# Altium PCB 28Pins_Project_V1I1_PCB - Copy.PcbDoc (part 1 of 2) (continued)
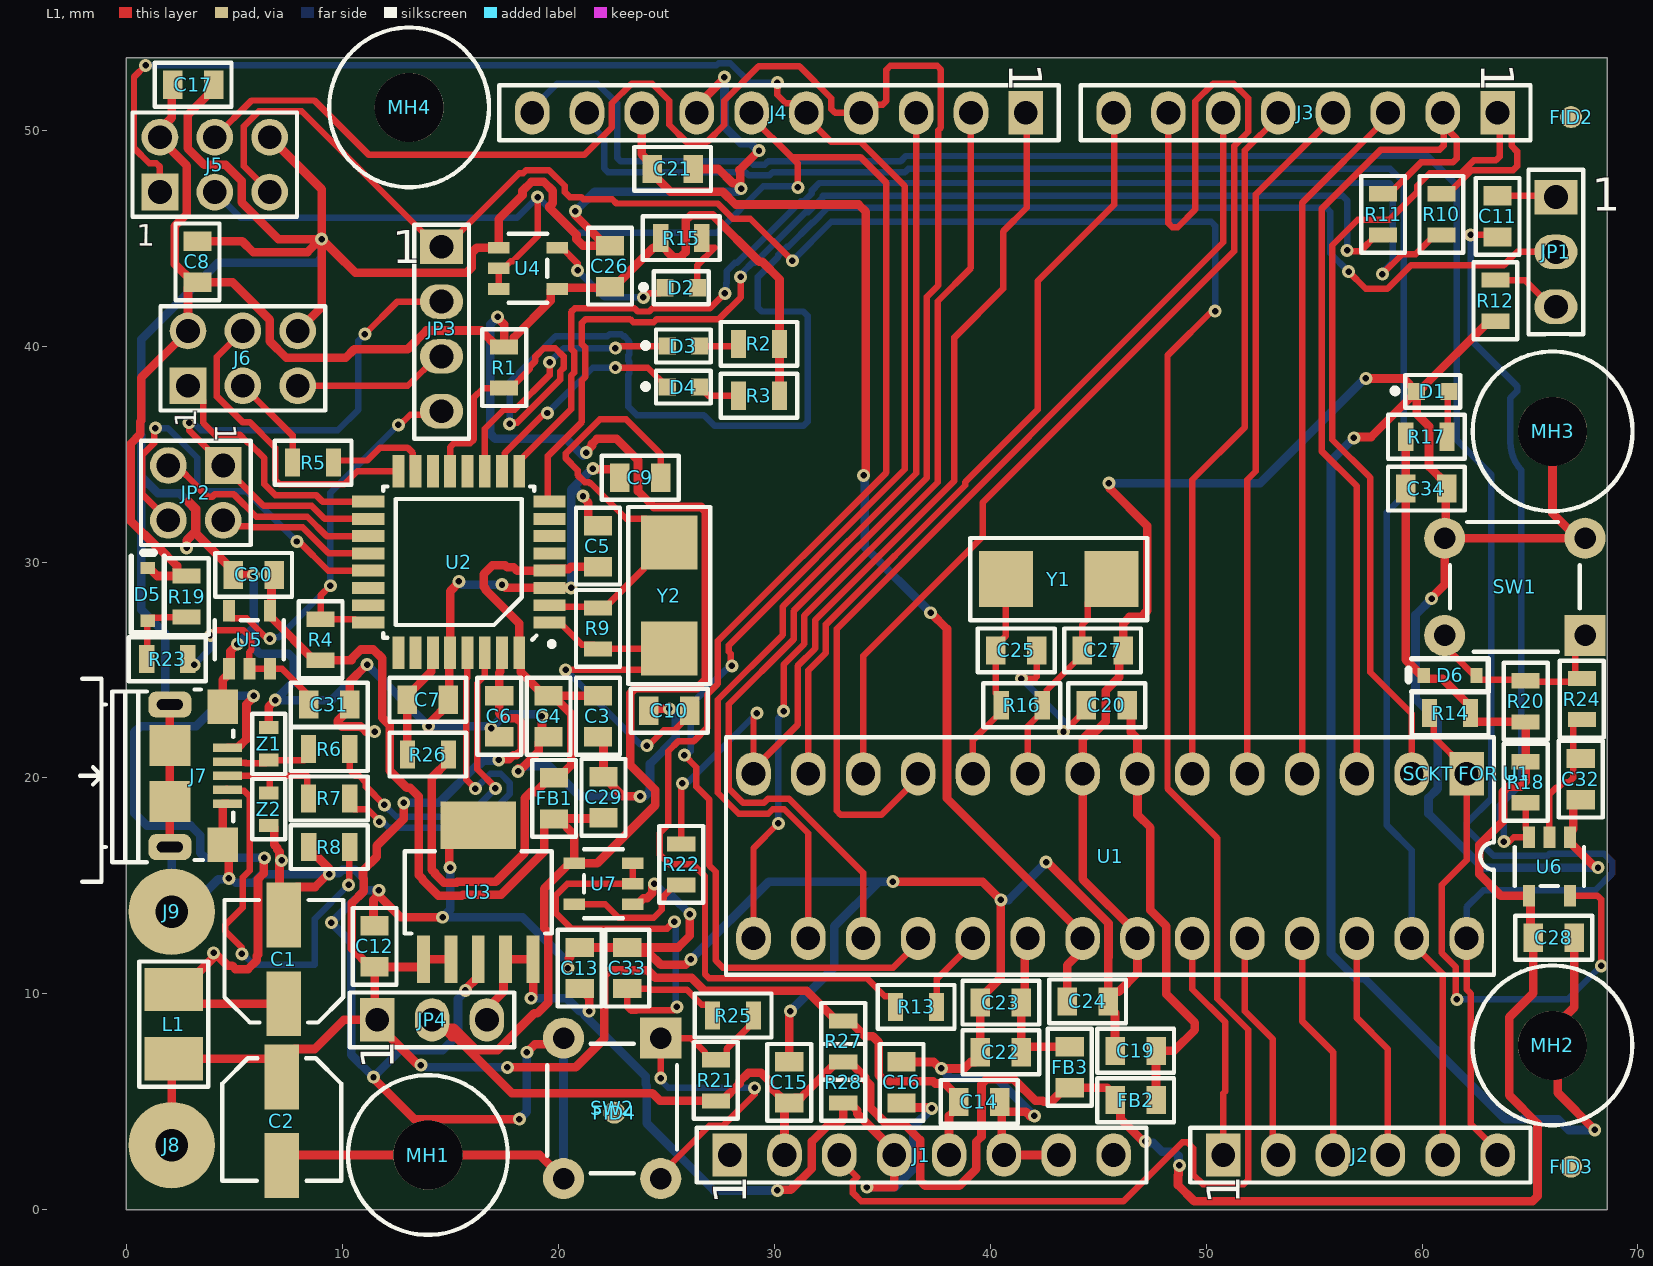
[diagram p0: L1 view]
## Part data (continued)
R4 R14 R18 R19 R20 R21: library part RT0805FRE0710KL, "Fixed Resistor, Thin Film, 0.125W, 10000ohm, 150V, 1% +/-Tol, 50ppm/Cel, Surface Mount, 0805", Manufacturer=Yageo, Max Operating Temperature=155°C, Min Operating Temperature=-55°C, Package Height=0.5mm, Package Length=2mm, Package Width=1.25mm, Rated Power Dissipation (P)=125mW, Rated Temperature=70°C, Resistance=10kR, Resistor Type="FIXED RESISTOR", Supplier Part Number 1=4301941, Temperature Coefficient (ppm/Cel)=50, Tolerance=1%, Working Voltage=150V, Additional Feature="HIGH PRECISION", Category="Chip SMD Resistors", ComponentLink1Description=https://datasheet.ciiva.com:443/pdfs/VipMasterIC/IC/YAGO/YAGO-S-A0008510989/YAGO-S-A0008510989-1.pdf?src-supplier=IHS+Markit, ComponentLink1URL=https://datasheet.ciiva.com:443/pdfs/VipMasterIC/IC/YAGO/YAGO-S-A0008510989/YAGO-S-A0008510989-1.pdf?src-supplier=IHS+Markit, ComponentLink2Description=https://datasheet.ciiva.com/25647/pyu-rt-1-to-0-05-rohs-l-4-25647309.pdf?src-supplier=Digikey, ComponentLink2URL=https://datasheet.ciiva.com/25647/pyu-rt-1-to-0-05-rohs-l-4-25647309.pdf?src-supplier=Digikey, ComponentLink3Description=https://datasheet.ciiva.com/29711/pyu-rt-1-to-0-05-rohs-l-4-29711644.pdf?src-supplier=Digikey, ComponentLink3URL=https://datasheet.ciiva.com/29711/pyu-rt-1-to-0-05-rohs-l-4-29711644.pdf?src-supplier=Digikey, ComponentLink4Description=https://datasheet.ciiva.com/29711/pyu-rt-1-to-0-05-rohs-l-4-29711645.pdf?src-supplier=Digikey, ComponentLink4URL=https://datasheet.ciiva.com/29711/pyu-rt-1-to-0-05-rohs-l-4-29711645.pdf?src-supplier=Digikey, ComponentLink5Description=https://datasheet.ciiva.com/7942/1392914-7942071.pdf?src-supplier=Element14, ComponentLink5URL=https://datasheet.ciiva.com/7942/1392914-7942071.pdf?src-supplier=Element14, ComponentLink6Description=https://datasheet.ciiva.com/7942/1392914-7942072.pdf?src-supplier=Element14, ComponentLink6URL=https://datasheet.ciiva.com/7942/1392914-7942072.pdf?src-supplier=Element14, ComponentLink7Description=https://datasheet.ciiva.com/12834/pyu-rt-1-to-0-05-rohs-l-4-12834887.pdf?src-supplier=Mouser, ComponentLink7URL=https://datasheet.ciiva.com/12834/pyu-rt-1-to-0-05-rohs-l-4-12834887.pdf?src-supplier=Mouser, Construction=Chip, Manufacturer Part Number=RT0805FRE0710KL, Mount="Surface Mount", Number of Pins=2, Packaging="Tape and Reel", Pricing 1="5000=0.0055, 20000=0.0053, 50000=0.0051, 125000=0.005, 200000=0.0048 (USD)", Reach SVHC Compliant=Yes, RoHS=Yes, RoHS Compliant=Yes, Size Code=0805, Stock 1=320000, Supplier 1="Future Electronics", Technology="THIN FILM", Termination=Wraparound
R5 R6 R7 R13 R23 R24 R25: library part RC0805FR-0722RL, "Fixed Resistor, Metal Glaze/thick Film, 0.125W, 22ohm, 150V, 1% +/-Tol, 100ppm/Cel, Surface Mount, 0805", Manufacturer=Yageo, Max Operating Temperature=155°C, Min Operating Temperature=-55°C, Package Height=0.5mm, Package Length=2mm, Package Shape=Rectangular, Package Width=1.25mm, Rated Power Dissipation (P)=125mW, Rated Temperature=70°C, Resistor Type="FIXED RESISTOR", Supplier Part Number 1=3012390, Temperature Coefficient (ppm/Cel)=100, Tolerance=1%, Working Voltage=150V, Additional Feature="LASER TRIMMABLE", Category="Chip SMD Resistors", ComponentLink1Description=https://datasheet.ciiva.com:443/pdfs/VipMasterIC/IC/YAGO/YAGO-S-A0008145938/YAGO-S-A0008145938-1.pdf?src-supplier=IHS+Markit, ComponentLink1URL=https://datasheet.ciiva.com:443/pdfs/VipMasterIC/IC/YAGO/YAGO-S-A0008145938/YAGO-S-A0008145938-1.pdf?src-supplier=IHS+Markit, ComponentLink2Description=https://datasheet.ciiva.com/11819/0900766b8106beab-11819837.pdf?src-supplier=Rs, ComponentLink2URL=https://datasheet.ciiva.com/11819/0900766b8106beab-11819837.pdf?src-supplier=Rs, ComponentLink3Description=https://datasheet.ciiva.com/2457/pyu-r-int-thick-7-2457044.pdf?src-supplier=Digikey, ComponentLink3URL=https://datasheet.ciiva.com/2457/pyu-r-int-thick-7-2457044.pdf?src-supplier=Digikey, ComponentLink4Description=https://datasheet.ciiva.com/2457/pyu-r-int-thick-7-2457045.pdf?src-supplier=Digikey, ComponentLink4URL=https://datasheet.ciiva.com/2457/pyu-r-int-thick-7-2457045.pdf?src-supplier=Digikey, ComponentLink5Description=https://datasheet.ciiva.com/2457/pyu-r-int-thick-7-2457046.pdf?src-supplier=Digikey, ComponentLink5URL=https://datasheet.ciiva.com/2457/pyu-r-int-thick-7-2457046.pdf?src-supplier=Digikey, ComponentLink6Description=https://datasheet.ciiva.com/12667/rc0805-12667371.pdf?src-supplier=Mouser, ComponentLink6URL=https://datasheet.ciiva.com/12667/rc0805-12667371.pdf?src-supplier=Mouser, ComponentLink7Description=https://datasheet.ciiva.com/46447/444164-46447574.pdf?src-supplier=Element14, ComponentLink7URL=https://datasheet.ciiva.com/46447/444164-46447574.pdf?src-supplier=Element14, Construction=Chip, JESD-609 Code=e3, Manufacturer Part Number=RC0805FR-0722RL, Mount="Surface Mount", Number of Pins=2, Packaging="Tape and Reel", Pricing 1="5000=0.0021, 20000=0.002, 100000=0.0019, 200000=0.0018, 625000=0.0017 (USD)", Reach SVHC Compliant=Yes, Resistance=22R, RoHS=Yes, RoHS Compliant=Yes, Size Code=0805, Stock 1=1465000, Supplier 1="Future Electronics", Technology="METAL GLAZE/THICK FILM", Terminal Finish=Nickel, Termination=Wraparound
R8 R26 R27 R28: library part RC0805JR-070RL, "Metal Glaze/thick Film, 0.125W, 0ohm, Surface Mount, 0805", Manufacturer=Yageo, Max Operating Temperature=155°C, Min Operating Temperature=-55°C, Package Height=0.5mm, Package Length=2mm, Package Shape=Rectangular, Package Width=1.25mm, Rated Power Dissipation (P)=125mW, Rated Temperature=70°C, Resistor Type="FIXED RESISTOR", Supplier Part Number 1=2506467, Category="Chip SMD Resistors", ComponentLink1Description=https://datasheet.ciiva.com:443/pdfs/VipMasterIC/IC/YAGO/YAGO-S-A0008145938/YAGO-S-A0008145938-1.pdf?src-supplier=IHS+Markit, ComponentLink1URL=https://datasheet.ciiva.com:443/pdfs/VipMasterIC/IC/YAGO/YAGO-S-A0008145938/YAGO-S-A0008145938-1.pdf?src-supplier=IHS+Markit, ComponentLink2Description=https://datasheet.ciiva.com/11819/0900766b8106beab-11819430.pdf?src-supplier=Rs, ComponentLink2URL=https://datasheet.ciiva.com/11819/0900766b8106beab-11819430.pdf?src-supplier=Rs, ComponentLink3Description=https://datasheet.ciiva.com/7941/1738694-7941861.pdf?src-supplier=Element14, ComponentLink3URL=https://datasheet.ciiva.com/7941/1738694-7941861.pdf?src-supplier=Element14, ComponentLink4Description=https://datasheet.ciiva.com/7941/1738694-7941862.pdf?src-supplier=Element14, ComponentLink4URL=https://datasheet.ciiva.com/7941/1738694-7941862.pdf?src-supplier=Element14, ComponentLink5Description=https://datasheet.ciiva.com/7941/1738694-7941863.pdf?src-supplier=Element14, ComponentLink5URL=https://datasheet.ciiva.com/7941/1738694-7941863.pdf?src-supplier=Element14, ComponentLink6Description=https://datasheet.ciiva.com/15190/getdatasheetpartid-330685-15190028.pdf?src-supplier=Verical, ComponentLink6URL=https://datasheet.ciiva.com/15190/getdatasheetpartid-330685-15190028.pdf?src-supplier=Verical, Construction=Chip, JESD-609 Code=e3, Manufacturer Part Number=RC0805JR-070RL, Mount="Surface Mount", Number of Pins=2, Packaging="Tape and Reel", Pricing 1="5000=0.0021, 20000=0.002, 75000=0.0019, 200000=0.0019, 500000=0.0018 (USD)", Reach SVHC Compliant=Yes, Resistance=0R, RoHS=Yes, RoHS Compliant=Yes, Size Code=0805, Stock 1=8615000, Supplier 1="Future Electronics", Technology="METAL GLAZE/THICK FILM", Terminal Finish=Nickel, Termination=Wraparound
R9 R16: library part RC0805FR-071ML, "Fixed Resistor, Metal Glaze/thick Film, 0.125W, 1000000ohm, 150V, 1% +/-Tol, 100ppm/Cel, Surface Mount, 0805", Manufacturer=Yageo, Max Operating Temperature=155°C, Min Operating Temperature=-55°C, Package Height=0.5mm, Package Length=2mm, Package Shape=Rectangular, Package Width=1.25mm, Rated Power Dissipation (P)=125mW, Rated Temperature=70°C, Resistance=1MR, Resistor Type="FIXED RESISTOR", Supplier Part Number 1=7283393, Temperature Coefficient (ppm/Cel)=100, Tolerance=1%, Working Voltage=150V, Additional Feature="LASER TRIMMABLE", Category="Chip SMD Resistors", ComponentLink1Description=https://datasheet.ciiva.com:443/pdfs/VipMasterIC/IC/YAGO/YAGO-S-A0008145938/YAGO-S-A0008145938-1.pdf?src-supplier=IHS+Markit, ComponentLink1URL=https://datasheet.ciiva.com:443/pdfs/VipMasterIC/IC/YAGO/YAGO-S-A0008145938/YAGO-S-A0008145938-1.pdf?src-supplier=IHS+Markit, ComponentLink2Description=https://datasheet.ciiva.com/17419/rc0805-17419909.pdf?src-supplier=Future+Electronics, ComponentLink2URL=https://datasheet.ciiva.com/17419/rc0805-17419909.pdf?src-supplier=Future+Electronics, Construction=Chip, JESD-609 Code=e3, Manufacturer Part Number=RC0805FR-071ML, Mount="Surface Mount", Number of Pins=2, Packaging="Tape and Reel", Pricing 1="5000=0.0021, 20000=0.002, 100000=0.0019, 200000=0.0018, 625000=0.0017 (USD)", Reach SVHC Compliant=Yes, RoHS=Yes, RoHS Compliant=Yes, Size Code=0805, Stock 1=1330000, Supplier 1="Future Electronics", Technology="METAL GLAZE/THICK FILM", Terminal Finish=Nickel, Termination=Wraparound
R10 R11 R12: library part RC0805FR-071KL, "Fixed Resistor, Metal Glaze/thick Film, 0.125W, 1000ohm, 150V, 1% +/-Tol, 100ppm/Cel, Surface Mount, 0805", Manufacturer=Yageo, Max Operating Temperature=155°C, Min Operating Temperature=-55°C, Package Height=0.5mm, Package Length=2mm, Package Shape=Rectangular, Package Width=1.25mm, Rated Power Dissipation (P)=125mW, Rated Temperature=70°C, Resistance=1kR, Resistor Type="FIXED RESISTOR", Supplier Part Number 1=8126013, Temperature Coefficient (ppm/Cel)=100, Tolerance=1%, Working Voltage=150V, Additional Feature="LASER TRIMMABLE", Category="Chip SMD Resistors", ComponentLink1Description=https://datasheet.ciiva.com:443/pdfs/VipMasterIC/IC/YAGO/YAGO-S-A0008145938/YAGO-S-A0008145938-1.pdf?src-supplier=IHS+Markit, ComponentLink1URL=https://datasheet.ciiva.com:443/pdfs/VipMasterIC/IC/YAGO/YAGO-S-A0008145938/YAGO-S-A0008145938-1.pdf?src-supplier=IHS+Markit, ComponentLink2Description=https://datasheet.ciiva.com/7941/1686128-7941719.pdf?src-supplier=Element14, ComponentLink2URL=https://datasheet.ciiva.com/7941/1686128-7941719.pdf?src-supplier=Element14, ComponentLink3Description=https://datasheet.ciiva.com/2456/pyu-r-int-thick-7-2456976.pdf?src-supplier=Digikey, ComponentLink3URL=https://datasheet.ciiva.com/2456/pyu-r-int-thick-7-2456976.pdf?src-supplier=Digikey, ComponentLink4Description=https://datasheet.ciiva.com/16850/rc0805-16850409.pdf?src-supplier=Future+Electronics, ComponentLink4URL=https://datasheet.ciiva.com/16850/rc0805-16850409.pdf?src-supplier=Future+Electronics, ComponentLink5Description=https://datasheet.ciiva.com/46385/444164-46385020.pdf?src-supplier=Element14, ComponentLink5URL=https://datasheet.ciiva.com/46385/444164-46385020.pdf?src-supplier=Element14, ComponentLink6Description=https://datasheet.ciiva.com/2456/pyu-r-int-thick-7-2456977.pdf?src-supplier=Digikey, ComponentLink6URL=https://datasheet.ciiva.com/2456/pyu-r-int-thick-7-2456977.pdf?src-supplier=Digikey, ComponentLink7Description=https://datasheet.ciiva.com/2456/pyu-r-int-thick-7-2456975.pdf?src-supplier=Digikey, ComponentLink7URL=https://datasheet.ciiva.com/2456/pyu-r-int-thick-7-2456975.pdf?src-supplier=Digikey, Construction=Chip, JESD-609 Code=e3, Manufacturer Part Number=RC0805FR-071KL, Mount="Surface Mount", Number of Pins=2, Packaging="Tape and Reel", Pricing 1="5000=0.0021, 20000=0.002, 100000=0.0019, 200000=0.0018, 625000=0.0017 (USD)", Reach SVHC Compliant=Yes, RoHS=Yes, RoHS Compliant=Yes, Size Code=0805, Stock 1=3160000, Supplier 1="Future Electronics", Technology="METAL GLAZE/THICK FILM", Terminal Finish=Nickel, Termination=Wraparound
"SCKT FOR U1": library part 4828-3004-CP, "IC Socket, DIP28, 28 Contact(s)", Manufacturer=3M, Supplier Part Number 1=34P8056, Additional Feature="STANDARD: UL 94V-0", Category=Connectors, ComponentLink1Description=https://datasheet.ciiva.com:443/pdfs/VipMasterIC/IC/IIIM/IIIM-S-A0001050894/IIIM-S-A0001050894-1.pdf?src-supplier=IHS+Markit, ComponentLink1URL=https://datasheet.ciiva.com:443/pdfs/VipMasterIC/IC/IIIM/IIIM-S-A0001050894/IIIM-S-A0001050894-1.pdf?src-supplier=IHS+Markit, ComponentLink2Description=https://datasheet.ciiva.com/768/ts1099-768354.pdf?src-supplier=Digikey, ComponentLink2URL=https://datasheet.ciiva.com/768/ts1099-768354.pdf?src-supplier=Digikey, Contact Finish - Mating="MATTE TIN (135) OVER NICKEL (35)", Contact Finish - Termination="MATTE TIN (135) OVER NICKEL (35)", Contact Material=Bronze, Device Socket Type="IC SOCKET", Device Type Used On=28-DIP, Housing Material=Glass, JESD-609 Code=e3, Manufacturer Part Number=4828-3004-CP, Number of Contacts=28, Pricing 1="1=1.09, 10=0.958, 25=0.9, 50=0.863, 100=0.827 (USD)", Reach SVHC Compliant=Yes, RoHS=Yes, RoHS Compliant=Yes, Stock 1=3054, Supplier 1=Avnet
SW1 SW2: "Keypad Switch, 1 Switches, SPST, Momentary-tactile, 0.05A, 24VDC, 2.06N, 4 PCB Hole Cnt, Solder Terminal, Through Hole-straight", Contact Current(DC)-Max=50mA, Contact DC Max Rating R Load=.05A@24VDC, Contact Voltage(DC)-Max=24V, Manufacturer="TE Connectivity Alcoswitch", Max Operating Temperature=85°C, Min Operating Temperature=-35°C, Operating Force-Max=2.06N, Body Breadth=5.99mm, Body Height=3.61mm, Body Length or Diameter=5.99mm, Category="Pushbutton Switches", Circuit Configuration=1X1, ComponentLink1Description=https://datasheet.ciiva.com:443/pdfs/VipMasterIC/IC/TYEL/TYEL-S-A0008869674/TYEL-S-A0008850909-1.pdf?src-supplier=IHS+Markit, ComponentLink1URL=https://datasheet.ciiva.com:443/pdfs/VipMasterIC/IC/TYEL/TYEL-S-A0008869674/TYEL-S-A0008850909-1.pdf?src-supplier=IHS+Markit, ComponentLink2Description=https://datasheet.ciiva.com/30199/1825910-6rqpn1825910-6-30199520.pdf?src-supplier=Onlinecomponents.com, ComponentLink2URL=https://datasheet.ciiva.com/30199/1825910-6rqpn1825910-6-30199520.pdf?src-supplier=Onlinecomponents.com, ComponentLink3Description=https://datasheet.ciiva.com/15184/getdatasheetpartid-395915-15184509.pdf?src-supplier=Verical, ComponentLink3URL=https://datasheet.ciiva.com/15184/getdatasheetpartid-395915-15184509.pdf?src-supplier=Verical, Manufacturer Part Number=1825910-6, Mount="Through Hole", Number of Switches=1, Pricing 1="1=0.05576, 10=0.05548, 30=0.05519, 50=0.05491, 100=0.05462 (USD)", Reach SVHC Compliant=Yes, RoHS=Yes, RoHS Compliant=Yes, Stock 1=148295, Supplier 1=Avnet, Supplier Part Number 1=1825910-6, Switch Action=MOMENTARY, Switch Function=SPST, Switch Type=Keypad, Termination=Solder
U1: "RISC Microcontroller, 8-Bit, FLASH, AVR RISC CPU, 20MHz, CMOS, PDIP28", Case/Package=DIP, Clock Frequency=20MHz, Manufacturer=Microchip, Max Operating Temperature=85°C, Max Supply Current=9mA, Max Supply Voltage=5.5V, Min Operating Temperature=-40°C, Min Supply Voltage=4.5V, Nominal Supply Voltage=5V, Package Body Material=Plastic, Package Equivalence Code=DIP28,.3, Package Shape=Rectangular, Package Style=IN-LINEMeter, Power Supplies=2.5V, Supplier Part Number=68T2944, Temperature Grade=INDUSTRIAL, ComponentLink1Description=https://datasheet.ciiva.com:443/pdfs/VipMasterIC/IC/ATML/ATML-S-A0002642585/ATML-S-A0002642585-1.pdf?src-supplier=IHS+Markit, ComponentLink1URL=https://datasheet.ciiva.com:443/pdfs/VipMasterIC/IC/ATML/ATML-S-A0002642585/ATML-S-A0002642585-1.pdf?src-supplier=IHS+Markit, ComponentLink2Description=https://datasheet.ciiva.com/1157/1684409-1157696.pdf?src-supplier=Element14, ComponentLink2URL=https://datasheet.ciiva.com/1157/1684409-1157696.pdf?src-supplier=Element14, ComponentLink3Description=https://datasheet.ciiva.com/29119/155197-da-01-en-microcontr-atmega328p-pu-8bit-pdip-28-29119593.pdf?src-supplier=Conrad, ComponentLink3URL=https://datasheet.ciiva.com/29119/155197-da-01-en-microcontr-atmega328p-pu-8bit-pdip-28-29119593.pdf?src-supplier=Conrad, ComponentLink4Description=https://datasheet.ciiva.com/15213/getdatasheetpartid-318533-15213133.pdf?src-supplier=Verical, ComponentLink4URL=https://datasheet.ciiva.com/15213/getdatasheetpartid-318533-15213133.pdf?src-supplier=Verical, Height - Seated (Max)=4.5724mm, JESD-30 Code=R-PDIP-T28, JESD-609 Code=e3, Length=34.671mm, Manufacturer Part Number=ATMEGA328P-PU, Number of I/O Lines=23, Pins=28, Pricing="1=3.01, 10=2.92, 28=2.84, 56=2.76, 112=2.62, 504=2.49 (USD)", Qualification Status="Not Qualified", Reach SVHC Compliant=Yes, RoHS=Yes, RoHS Compliant=Yes, Speed=20RPM, Stock=362, Supplier=Newark, Surface Mount=No, Technology=CMOS, Terminal Finish=Tin, Terminal Form="Through Hole", Terminal Pitch=2.54mm, Terminal Position=DUAL, Width=7.62mm
U2: "RISC Microcontroller, 8-Bit, FLASH, AVR RISC CPU, 16MHz, CMOS, PQFP32", Manufacturer=Microchip, Max Frequency=16MHz, Max Operating Temperature=85°C, Max Supply Current=21mA, Max Supply Voltage=5.5V, Min Operating Temperature=-40°C, Min Supply Voltage=4.5V, Package Body Material=Plastic, Package Code=TQFP, Package Shape=Square, Power Supplies=3/5, Supply Voltage-Nom=5V, Temperature Grade=INDUSTRIAL, ComponentLink1Description=https://datasheet.ciiva.com:443/pdfs/VipMasterIC/IC/ATML/ATMLS06884/ATMLS06884-1.pdf?src-supplier=IHS+Markit, ComponentLink1URL=https://datasheet.ciiva.com:443/pdfs/VipMasterIC/IC/ATML/ATMLS06884/ATMLS06884-1.pdf?src-supplier=IHS+Markit, ComponentLink2Description=https://datasheet.ciiva.com/22651/doc7799-22651110.pdf?src-supplier=Farnell, ComponentLink2URL=https://datasheet.ciiva.com/22651/doc7799-22651110.pdf?src-supplier=Farnell, Height - Seated (Max)=1.2mm, Interface=SPI,USB,USART, JESD-30 Code=S-PQFP-G32, Length=7mm, Manufacturer Part Number=ATMEGA16U2-AU, Number of I/O Lines=22, Number of Pins=32, Peripherals=POR,WDT, Pricing="1=2.978, 25=2.798, 100=2.789 (USD)", Qualification Status="Not Qualified", Reach SVHC Compliant=Yes, RoHS=Yes, RoHS Compliant=Yes, Stock=1337, Supplier="Arrow Electronics", Supplier Part Number=ATMEGA16U2-AU, Surface Mount=Yes, Technology=CMOS, Terminal Form="Gull Wing", Terminal Pitch=0.8mm, Terminal Position=QUAD, Width=7mm
U3: library part TL1963A-33DCQR, "Fixed Positive LDO Regulator, 3.3V, 0.55V Dropout, BIPolar, PDSO6", Dropout Voltage1-Max=550mV, Dropout Voltage1-Nom=340mV, Input Voltage Absolute-Max=20V, Manufacturer="Texas Instruments", Min Input Voltage=3.8V, Operating Temperature, TJ-Max=125°C, Operating Temperature, TJ-Min=-40°C, Output Current1-Max=1.5A, Output Voltage1-Max=3.4V, Output Voltage1-Min=3.2V, Output Voltage1-Nom=3.3V, Package Body Material=Plastic, Package Code=SOP, Package Shape=Rectangular, Peak Reflow Temperature (Cel)=260°C, Supplier Part Number 1=595-TL1963A-33DCQR, Voltage Tolerance-Max=3%, Adjustability=FIXED, Category="Voltage Regulators - Linear", ComponentLink1Description=https://www.ti.com:443/lit/ds/symlink/tl1963a.pdf?src-supplier=IHS+Markit, ComponentLink1URL=https://www.ti.com:443/lit/ds/symlink/tl1963a.pdf?src-supplier=IHS+Markit, ComponentLink2Description=https://datasheet.ciiva.com/2046/tl1963a-2046161.pdf?src-supplier=Digikey, ComponentLink2URL=https://datasheet.ciiva.com/2046/tl1963a-2046161.pdf?src-supplier=Digikey, ComponentLink3Description=https://datasheet.ciiva.com/2046/tl1963a-2046162.pdf?src-supplier=Digikey, ComponentLink3URL=https://datasheet.ciiva.com/2046/tl1963a-2046162.pdf?src-supplier=Digikey, ComponentLink4Description=https://datasheet.ciiva.com/2046/tl1963a-2046163.pdf?src-supplier=Digikey, ComponentLink4URL=https://datasheet.ciiva.com/2046/tl1963a-2046163.pdf?src-supplier=Digikey, Height - Seated (Max)=1.8mm, JESD-30 Code=R-PDSO-G6, JESD-609 Code=e4, Length=6.5mm, Manufacturer Part Number=TL1963A-33DCQR, Max Input Voltage=20V, Moisture Sensitivity Level=2, Number of Functions=1, Number of Outputs=1, Number of Pins=6, Packaging="Tape and Reel", Pricing 1="1=2.69, 10=2.02, 50=2.02, 100=1.85, 1000=1.66, 10000=1.56 (USD)", Qualification Status="Not Qualified", Reach SVHC Compliant=Yes, Regulator Type="FIXED POSITIVE SINGLE OUTPUT LDO REGULATOR", RoHS=Yes, RoHS Compliant=Yes, Stock 1=3671, Supplier 1=Mouser, Surface Mount=Yes, Technology=BIPOLAR, Terminal Finish=Nickel, Terminal Form="Gull Wing", Terminal Pitch=1.27mm, Terminal Position=DUAL, Width=3.5mm
U4 U5 U6 U7: "AND Gate, AHC/VHC/H/U/V Series, 1-Func, 2-Input, CMOS, PDSO5", Load Capacitance (CL)=50pF, Manufacturer="Texas Instruments", Max Operating Temperature=125°C, Min Operating Temperature=-55°C, Package Body Material=Plastic, Package Code=LSSOP, Package Equivalence Code=TSOP5/6,.11,37, Package Shape=Rectangular, Package Style="SMALL OUTLINE, LOW PROFILE, SHRINK PITCHMeter", Peak Reflow Temperature (Cel)=260°C, Power Supplies=2/5.5V, Supplier Part Number 1=595-SN74AHC1G09DBVR, Supply Voltage-Max (Vsup)=5.5V, Supply Voltage-Min (Vsup)=2V, Supply Voltage-Nom (Vsup)=3.3V, Temperature Grade=MILITARY, Category="Logic Gates", ComponentLink1Description=https://www.ti.com:443/lit/ds/symlink/sn74ahc1g09.pdf?src-supplier=IHS+Markit, ComponentLink1URL=https://www.ti.com:443/lit/ds/symlink/sn74ahc1g09.pdf?src-supplier=IHS+Markit, ComponentLink2Description=https://datasheet.ciiva.com/1864/sn74ahc1g09-1864410.pdf?src-supplier=Digikey, ComponentLink2URL=https://datasheet.ciiva.com/1864/sn74ahc1g09-1864410.pdf?src-supplier=Digikey, ComponentLink3Description=https://datasheet.ciiva.com/1864/sn74ahc1g09-1864411.pdf?src-supplier=Digikey, ComponentLink3URL=https://datasheet.ciiva.com/1864/sn74ahc1g09-1864411.pdf?src-supplier=Digikey, ComponentLink4Description=https://datasheet.ciiva.com/1864/sn74ahc1g09-1864412.pdf?src-supplier=Digikey, ComponentLink4URL=https://datasheet.ciiva.com/1864/sn74ahc1g09-1864412.pdf?src-supplier=Digikey, Height - Seated (Max)=1.45mm, JESD-30 Code=R-PDSO-G5, JESD-609 Code=e4, Length=2.9mm, Logic IC Type="AND GATE", Manufacturer Part Number=SN74AHC1G09DBVR, Max I(ol)=8mA, Moisture Sensitivity Level=1, Number of Functions=1, Number of Inputs=2, Number of Pins=5, Output Characteristics=OPEN-DRAIN, Packaging="Tape and Reel", Pricing 1="1=0.12, 10=0.067, 50=0.067, 100=0.051, 1000=0.051, 10000=0.039 (USD)", Prop. Delay@Nom-Sup=8.5ns, Propagation Delay (tpd)=12.5ns, Qualification Status="Not Qualified", Reach SVHC Compliant=Yes, RoHS=Yes, RoHS Compliant=Yes, Schmitt Trigger=No, Stock 1=14715, Supplier 1=Mouser, Surface Mount=Yes, Technology=CMOS, Terminal Finish=Nickel, Terminal Form="Gull Wing", Terminal Pitch=0.95mm, Terminal Position=DUAL, Width=1.6mm
Y1 Y2: "Crystal 16MHz ±20ppm (Tol) ±30ppm (Stability) 18pF FUND 50Ohm 2-Pin Mini-CSMD T/R", Manufacturer=Abracon, Supplier Part Number 1=815-ABM7-16-D2Y-T, Category=Crystals, ComponentLink1Description=https://datasheet.ciiva.com/15116/getdatasheetpartid-721624-15116835.pdf?src-supplier=Verical, ComponentLink1URL=https://datasheet.ciiva.com/15116/getdatasheetpartid-721624-15116835.pdf?src-supplier=Verical, ComponentLink2Description=https://datasheet.ciiva.com/5788/abm7-5788054.pdf?src-supplier=Farnell, ComponentLink2URL=https://datasheet.ciiva.com/5788/abm7-5788054.pdf?src-supplier=Farnell, ComponentLink3Description=https://datasheet.ciiva.com/46385/947971-46385243.pdf?src-supplier=Element14, ComponentLink3URL=https://datasheet.ciiva.com/46385/947971-46385243.pdf?src-supplier=Element14, ComponentLink4Description=https://datasheet.ciiva.com/7998/947971-7998600.pdf?src-supplier=Element14, ComponentLink4URL=https://datasheet.ciiva.com/7998/947971-7998600.pdf?src-supplier=Element14, ComponentLink5Description=https://datasheet.ciiva.com/22658/947971-22658293.pdf?src-supplier=Element14, ComponentLink5URL=https://datasheet.ciiva.com/22658/947971-22658293.pdf?src-supplier=Element14, ComponentLink6Description=https://datasheet.ciiva.com/18649/abm7-18649866.pdf?src-supplier=Digikey, ComponentLink6URL=https://datasheet.ciiva.com/18649/abm7-18649866.pdf?src-supplier=Digikey, ComponentLink7Description=https://datasheet.ciiva.com/18649/abm7-18649865.pdf?src-supplier=Digikey, ComponentLink7URL=https://datasheet.ciiva.com/18649/abm7-18649865.pdf?src-supplier=Digikey, ComponentLink8Description=https://datasheet.ciiva.com/18649/abm7-18649867.pdf?src-supplier=Digikey, ComponentLink8URL=https://datasheet.ciiva.com/18649/abm7-18649867.pdf?src-supplier=Digikey, Manufacturer Part Number=ABM7-16.000MHZ-D2Y-T, Pricing 1="1=0.58, 10=0.491, 50=0.491, 100=0.458, 1000=0.325, 10000=0.299 (USD)", RoHS=Yes, Stock 1=39283, Supplier 1=Mouser
Z1 Z2: "Varistor, 5V, Surface Mount", Circuit DC Voltage-Max=5V, Circuit RMS Voltage-Max=20V, Manufacturer=Bourns, Max Operating Temperature=85°C, Min Operating Temperature=-40°C, Package Shape=Rectangular, Resistor Type=VARISTOR, Supplier Part Number 1=CG0603MLC-05ECT-ND, Category=Varistors, ComponentLink1Description=https://datasheet.ciiva.com:443/pdfs/VipMasterIC/IC/BOUR/BOUR-S-A0008954794/BOUR-S-A0008954794-1.pdf?src-supplier=IHS+Markit, ComponentLink1URL=https://datasheet.ciiva.com:443/pdfs/VipMasterIC/IC/BOUR/BOUR-S-A0008954794/BOUR-S-A0008954794-1.pdf?src-supplier=IHS+Markit, ComponentLink2Description=https://datasheet.ciiva.com/1278/1785244-1278701.pdf?src-supplier=Element14, ComponentLink2URL=https://datasheet.ciiva.com/1278/1785244-1278701.pdf?src-supplier=Element14, ComponentLink3Description=https://datasheet.ciiva.com/8084/mlc-8084047.pdf?src-supplier=Avnet, ComponentLink3URL=https://datasheet.ciiva.com/8084/mlc-8084047.pdf?src-supplier=Avnet, ComponentLink4Description=https://datasheet.ciiva.com/6991/mlc-6991832.pdf?src-supplier=Digikey, ComponentLink4URL=https://datasheet.ciiva.com/6991/mlc-6991832.pdf?src-supplier=Digikey, ComponentLink5Description=https://datasheet.ciiva.com/6991/mlc-6991834.pdf?src-supplier=Digikey, ComponentLink5URL=https://datasheet.ciiva.com/6991/mlc-6991834.pdf?src-supplier=Digikey, ComponentLink6Description=https://datasheet.ciiva.com/6991/mlc-6991836.pdf?src-supplier=Digikey, ComponentLink6URL=https://datasheet.ciiva.com/6991/mlc-6991836.pdf?src-supplier=Digikey, JESD-609 Code=e3, Manufacturer Part Number=CG0603MLC-05E, Mount="Surface Mount", Number of Pins=2, Packaging="Tape and Reel", Pricing 1="1=0.52, 10=0.307, 25=0.2516, 100=0.1891, 250=0.15832, 500=0.13936, 1000=0.12347, 2500=0.10634, 5000=0.0958, 10000=0.08698, 15000=0.08249, 25000=0.07747, 35000=0.0745, 50000=0.07162, 125000=0.06825 (USD)", Reach SVHC Compliant=Yes, Reference Standard=AEC-Q200, RoHS=Yes, RoHS Compliant=Yes, Stock 1=91074, Supplier 1=Digikey, Terminal Finish=Tin, Terminal Placement="Dual Ended", Termination=Wraparound

## Via types
v1: diameter 0.6, hole 0.3, L1 to L2, 118 vias

## Nets (pads, with @x,y where several pads share a name; then routed paths per layer and width w, separated by ;. In a path a pad name is that pad's centre, name@x,y a point inside that pad or via, vN(x,y) a via of type N, cw(c..) or ccw(c..) an arc to the next point about the centre after c; other vN are vias at no path point)
"16U2 RX_LED": D4.1 U2.10 | length 10.4
  L1 w0.3: U2.10@17.4,34.2 17.525,34.325 17.525,35.045 19.33,36.85 19.45,36.85 v1(19.5,36.9) ; v1(22.65,39) 24.15,39 D4.1@25.05,38.1
  L2 w0.3: v1(19.5,36.9) 21.6,39 v1(22.65,39)
"16U2 RXD": R11.1 U2.8 | length 52.1
  L1 w0.3: U2.8@19.6,32.8 19.6,32.851 19.526,32.925 19.526,34.911 21.1,36.486 21.1,38.417 21.25,38.567 21.25,39.933 21.1,40.083 21.1,41.074 21.276,41.25 23.324,41.25 23.474,41.1 24.426,41.1 24.576,41.25 27.45,41.25 28.45,42.25 v1(28.45,43.2) ; v1(56.535,44.435) 56.569,44.4 57.15,44.4 57.9,45.15 R11.1@58.2,45.15
  L2 w0.3: v1(28.45,43.2) 28.6,43.35 28.6,43.469 28.981,43.85 29.1,43.85 31.45,46.2 31.576,46.2 32.25,46.874 32.25,46.95 56.324,46.95 56.535,46.74 v1(56.535,44.435)
"16U2 TX_LED": D3.1 U2.11 | length 12.4
  L1 w0.3: U2.11@16.6,34.2 16.6,36.169 17.481,37.05 17.995,37.05 19.6,38.655 v1(19.6,39.25) ; v1(22.65,39.9) 22.731,39.9 22.831,40 D3.1@25.05,40
  L2 w0.3: v1(19.6,39.25) 20.25,39.9 v1(22.65,39.9)
"16U2 TXD": R10.1 U2.9 | length 57.6
  L1 w0.3: U2.9@18.2,34.2 18.2,34.675 20.6,37.075 20.6,38.624 20.75,38.774 20.75,39.726 20.6,39.876 20.6,41.574 20.776,41.75 23.531,41.75 23.681,41.6 24.219,41.6 24.369,41.75 27.031,41.75 v1(27.715,42.435) ; v1(58.165,43.335) 59.081,44.25 59.7,44.25 60.6,45.15 R10.1@60.9,45.15
  L2 w0.3: v1(27.715,42.435) 27.773,42.492 27.773,42.904 27.8,42.931 27.8,43.469 28.181,43.85 28.274,43.85 28.774,44.35 28.893,44.35 31.243,46.7 31.369,46.7 31.75,47.081 31.75,47.207 32.093,47.55 58.474,47.55 58.65,47.374 58.65,43.9 58.165,43.416 v1(58.165,43.335)
16U2_16MHZ_XTAL1: C10.2 R9.1 U2.1 Y2.1 | length 19.2
  L1 w0.3: U2.1@19.6,27.2 20.075,27.2 21.101,26.174 21.644,26.174 R9.1@21.844,25.974 25.122,25.974 24.148,25 v1(20.35,25) ; v1(24.105,21.495) 24.172,21.495 24.887,22.21 25.392,22.21 26.096,22.914 C10.2@26.096,23.114
  L2 w0.3: v1(20.35,25) 23.798,21.552 24.048,21.552 v1(24.105,21.495)
16U2_16MHZ_XTAL2: C9.2 R9.2 U2.2 Y2.2 | length 20.5
  L1 w0.3: U2.2@19.6,28 19.663,27.937 21.781,27.937 R9.2@21.844,27.874 22.144,27.874 23.996,29.726 23.996,29.798 25.096,30.898 Y2.2@25.146,30.898 24.046,31.998 23.157,31.998 21.505,33.65 21.469,33.65 21.419,33.7 21.231,33.7 20.9,34.031 20.9,34.255 20.362,34.793 20.362,35.041 21.921,36.6 23.15,36.6 24.75,35 C9.2@24.75,33.9
16U2_BUF_RESETn: C31.1 R23.2 U5.1 U5.2 | length 9.4
  L1 w0.3: R23.2@2.85,25.5 3.11,25.24 v1(3.15,25.24) ; v1(3.9,26.6) 4.15,26.85 5.419,26.85 5.8,26.469 5.8,25.931 5.7,25.831 U5.2@5.7,25.05 U5.1@6.65,25.05 7.219,25.05 8.45,23.819 C31.1@8.45,23.4
  L2 w0.3: v1(3.15,25.24) 3.9,25.99 v1(3.9,26.6)
16U2_HDR_RESETn: J6.5 JP3.3 | length 7.2
  L1 w0.3: J6.5@7.94,38.16 13.04,38.16 14.4,39.52 JP3.3@14.6,39.52
16U2_MISO: J6.1 U2.17 | length 11.9
  L1 w0.3: J6.1@2.86,38.16 3.56,37.46 3.56,36.44 4.1,35.9 5.255,35.9 5.605,35.55 5.655,35.55 6.4,34.805 6.4,33.6 6.9,33.1 8.791,33.1 9.091,32.8 U2.17@11.2,32.8
16U2_MOSI: J6.4 U2.16 | length 14.7
  L1 w0.3: J6.4@5.4,40.7 4.2,39.5 4.2,37.663 5.384,36.479 5.716,36.479 6.9,35.295 6.9,33.807 7.107,33.6 8.998,33.6 10.095,33.6 10.695,34.2 U2.16@12.6,34.2
16U2_PB4: JP2.1 JP3.2 U2.18 | length 26.5
  L1 w0.3: v1(2.91,36.448) 2.91,36.1 4.94,34.07 4.94,34.02 6.36,32.6 8.583,32.6 9.183,32 U2.18@11.2,32 ; v1(11.05,40.55) 12.56,42.06 JP3.2@14.6,42.06
  L2 w0.3: v1(2.91,36.448) 3.109,36.448 3.457,36.1 9.8,36.1 10.75,37.05 10.75,40.25 v1(11.05,40.55)
16U2_PB5: JP2.3 U2.19 | length 10.7
  L1 w0.3: JP2.3@1.95,34.47 2.33,34.47 3.29,33.51 3.29,33.475 3.495,33.27 3.53,33.27 3.764,33.036 3.786,33.014 3.911,33.014 3.974,33.014 4.091,33.13 4.49,33.13 4.987,33.13 6.017,32.1 8.376,32.1 9.276,31.2 U2.19@11.2,31.2
16U2_PB6: JP2.2 U2.20 | length 6.7
  L1 w0.3: JP2.2@5.072,31.662 5.748,31.662 5.81,31.6 8.169,31.6 9.369,30.4 U2.20@11.2,30.4
16U2_PB7: JP2.4 U2.21 | length 18.4
  L1 w0.3: v1(1.35,36.2) 1.293,36.143 1.293,35.51 0.75,34.967 0.75,33.13 JP2.4@1.95,31.93 ; v1(7.9,30.95) 8,30.95 9.35,29.6 U2.21@11.2,29.6
  L2 w0.3: v1(1.35,36.2) 1.917,36.2 3.29,34.827 3.29,33.475 3.495,33.27 5.58,33.27 v1(7.9,30.95)
16U2_RESETn: JP3.4 R4.1 U2.24 U5.4 | length 21.4
  L1 w0.3: U5.4@4.75,27.75 4.75,27.525 4.875,27.4 5.57,27.4 5.62,27.35 5.626,27.35 6.3,26.676 6.3,26.67 6.52,26.45 v1(6.65,26.45) ; v1(9.45,28.9) 9,28.45 R4.1@9,27.35 10.575,27.35 10.725,27.2 U2.24@11.2,27.2 ; v1(12.6,36.35) 12.681,36.35 13.15,36.819 14.439,36.819 JP3.4@14.6,36.98
  L2 w0.3: v1(6.65,26.45) 6.707,26.507 7.057,26.507 v1(9.45,28.9) 9.45,33.2 v1(12.6,36.35)
16U2_SCLK: J6.3 R5.2 | length 4.5
  L1 w0.3: J6.3@5.4,38.16 7.7,35.86 R5.2@7.7,34.6
16U2_SCLK_R: R5.1 U2.15 | length 5
  L1 w0.3: R5.1@9.6,34.6 9.7,34.7 11.16,34.7 11.76,35.3 13.02,35.3 13.275,35.045 13.275,34.325 U2.15@13.4,34.2